# Altium PCB LTEWatch.PcbDoc (part 3 of 3)
Units mm, origin at the board's own origin, x right, y up, seen from the top; angles counter-clockwise.
Board outline 155 x 70 mm, 4 copper layers (Top Layer, Ground, Power, Bottom Layer), stack 1.854 mm thick; 335 components, 196 nets, 1001 pads, 1178 vias.
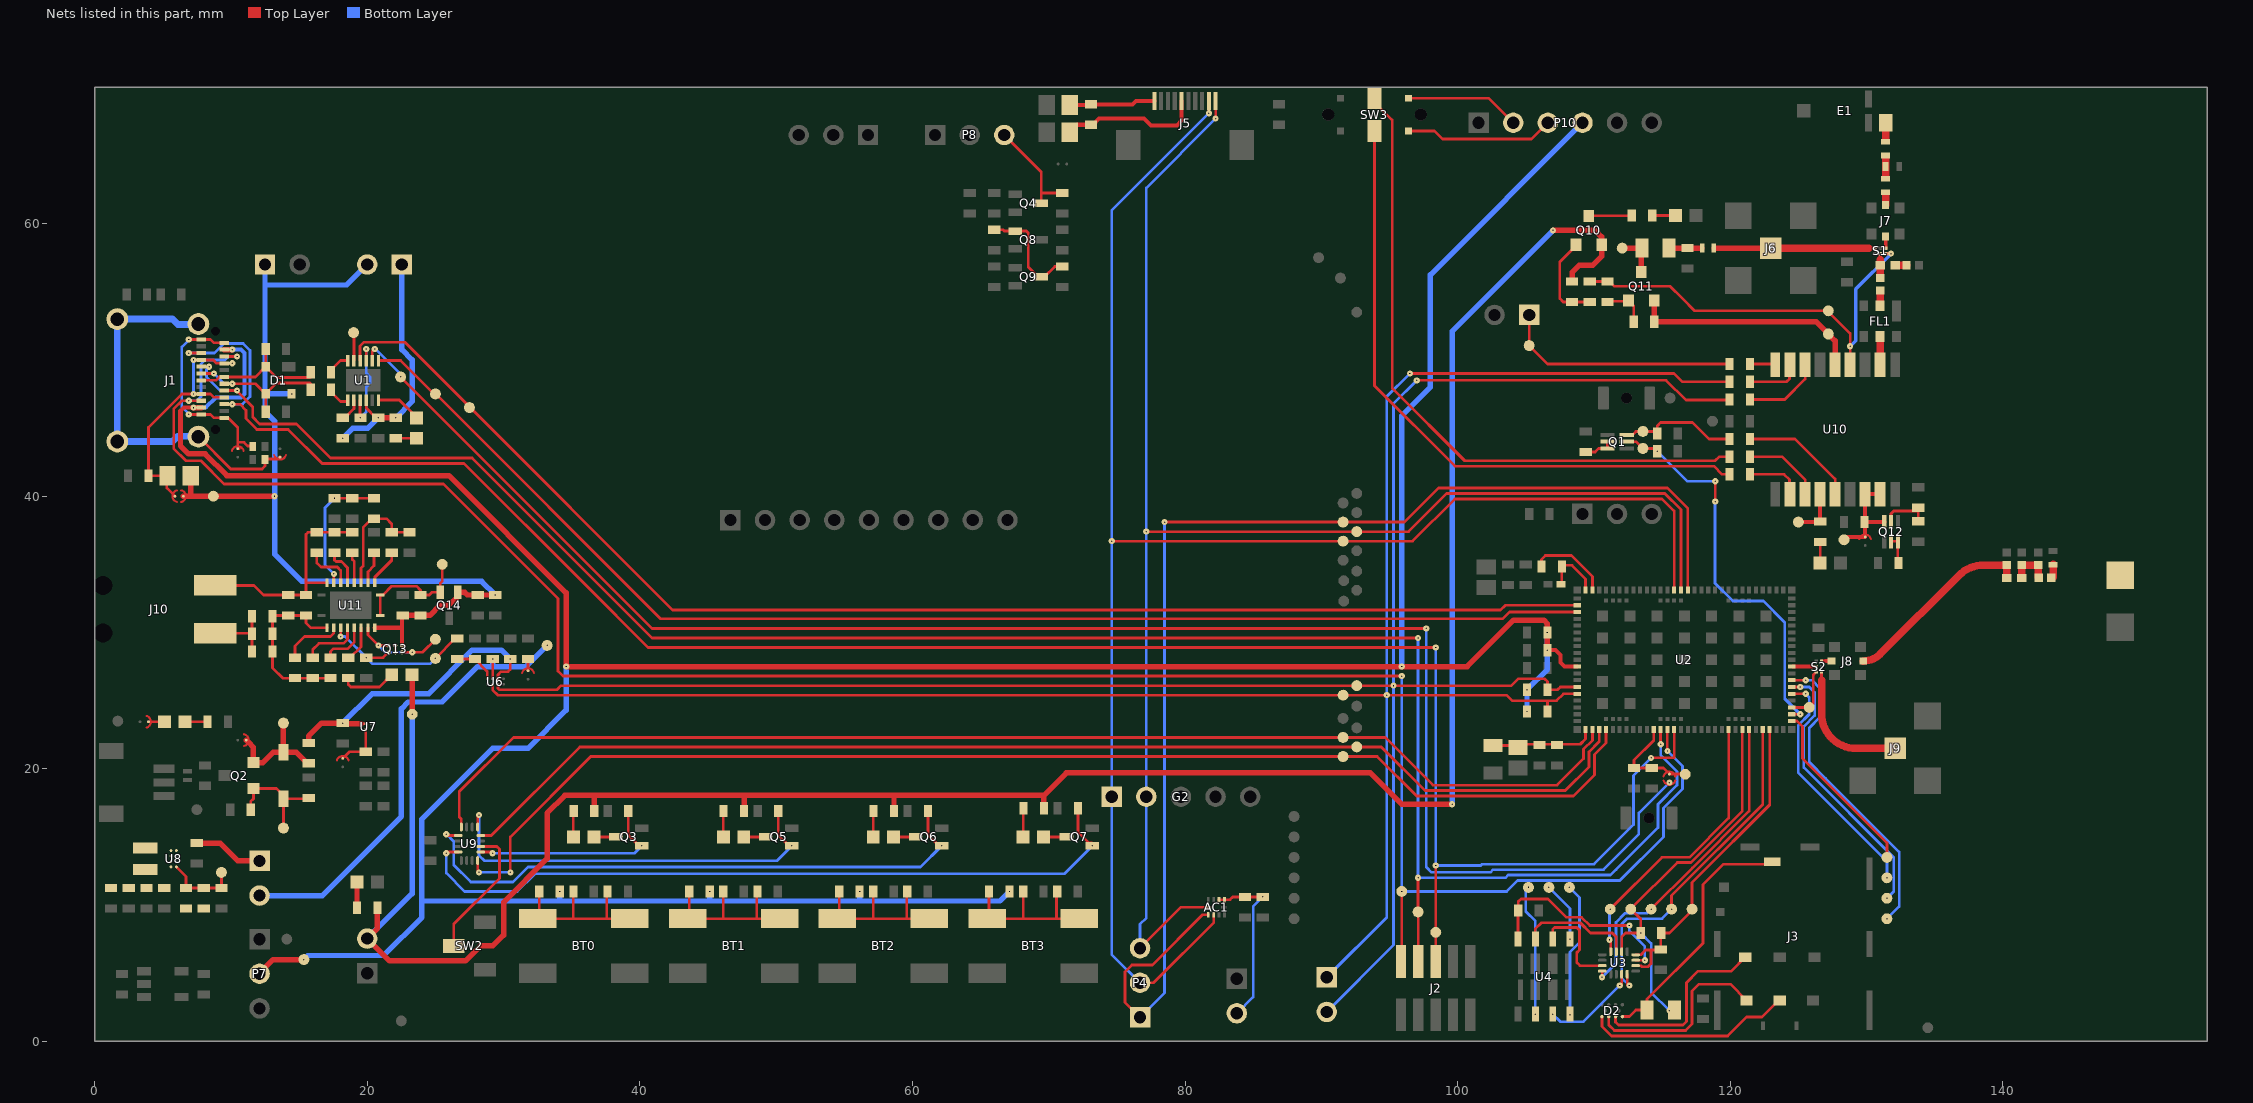
[diagram p5: the nets of this part, all layers, seen from the top]

## Via types
v1: diameter 0.4/0.45/0.45/0.4 (per signal layer), hole 0.1, Top Layer to Bottom Layer, tented both sides, 1178 vias

## Nets (pads, with @x,y where several pads share a name; then routed paths per layer and width w, separated by ;. In a path a pad name is that pad's centre, name@x,y a point inside that pad or via, vN(x,y) a via of type N, cw(c..) or ccw(c..) an arc to the next point about the centre after c; other vN are vias at no path point) (continued)
GPS_/SAFEBT: P11.1 R63.2 TP73.1 | length 17.5
  Top Layer w0.2: P11.1@105.25,53.3 TP73.1@105.25,51.05 106.6,49.7 R63.2@119.95,49.7
GPS_EXT_INT: C18.2 Q1.3 R60.1 TP51.1 | length 8.9
  Top Layer w0.2: Q1.3@112.4,44.5 112.83,44.5 113.08,44.75 TP51.1@113.6,44.75 114.5,44.75 C18.2@114.65,44.6 114.65,45.15 114.9,45.4 117.24,45.4 118.44,44.2 R60.1@119.95,44.2
GPS_RXD: R57.2 SW3.2 | length 48.9
  Top Layer w0.2: SW3.2@93.9,69.2 93.9,68.9 95.2,67.6 95.2,47.926 100.526,42.6 118.9,42.6 119.2,42.9 R57.2@119.95,42.9
GPS_TXD: R59.2 SW3.5 | length 47.4
  Top Layer w0.2: SW3.5@93.9,66.8 93.9,48.1 99.8,42.2 118.8,42.2 119.4,41.6 R59.2@119.95,41.6
LED0: Q3.1 R37.2 U9.1 | length 16
  Top Layer w0.2: 28.9,13.9 U9.1@28.325,13.9 29.1,13.9 v1(29.2,13.8) ; R37.2@39.15,16.9 39.15,15.15 39.95,14.35 v1(40.15,14.35) Q3.1@40.375,14.35
  Bottom Layer w0.2: v1(29.2,13.8) 39.6,13.8 v1(40.15,14.35)
LED1: Q5.1 R40.2 U9.5 | length 30.7
  Top Layer w0.2: U9.5@28.1,15.725 28.1,16.5 v1(28.2,16.6) ; R40.2@50.15,16.9 50.15,15.15 50.95,14.35 v1(51.15,14.35) Q5.1@51.375,14.35
  Bottom Layer w0.2: v1(28.2,16.6) 28.2,13.65 28.6,13.25 50.05,13.25 v1(51.15,14.35)
LED2: Q6.1 R42.2 U9.9 | length 44.1
  Top Layer w0.2: v1(25.8,15.2) 25.9,15.1 U9.9@26.675,15.1 ; R42.2@61.15,16.9 61.15,15.15 61.95,14.35 v1(62.15,14.35) Q6.1@62.375,14.35
  Bottom Layer w0.2: v1(25.8,15.2) 26.35,14.65 26.35,12.95 27.6,11.7 30.7,11.7 31.8,12.8 60.6,12.8 v1(62.15,14.35)
LED3: Q7.1 R43.2 U9.12 | length 55
  Top Layer w0.2: v1(25.8,13.8) 25.9,13.9 U9.12@26.675,13.9 ; R43.2@72.15,17.1 72.15,15.35 72.95,14.55 Q7.1@73.15,14.55 ; v1(73.2,14.35) Q7.1@73.375,14.35
  Bottom Layer w0.2: v1(25.8,13.8) 25.8,12.35 27.15,11 31,11 32.3,12.3 71.15,12.3 v1(73.2,14.35)
LNA_EN: R53.1 R55.1 S1.6 TP72.1 U10.13 | length 31.5
  Top Layer w0.2: R55.1@109.7,55.75 R53.1@111,55.75 111.175,55.75 111.525,55.4 115.6,55.4 116.5,54.5 117.4,53.6 127.15,53.6 128.8,51.95 v1(128.8,51) U10.13@128.8,49.65 U10.13@128.8,49.6 ; S1.6@131.4,57.8 v1(131.8,57.8)
  Bottom Layer w0.25: v1(128.8,51) 129.2,51.4 129.2,55.2 v1(131.8,57.8)
LTE_EXT_ANT: S2.6 TP21.1 U2.55 | length 4.1
  Top Layer w0.2: U2.55@124.51,24.5 TP21.1@125.8,24.5 126.1,24.8 126.1,26.9 S2.6@126.3,27.1
LTE_RF1: S2.5 U2.61 | length 1.7
  Top Layer w0.2: 126,27.5 S2.5@126.3,27.5
  Top Layer w0.3: U2.61@124.61,27.5 126,27.5
M0: TP32.1 U2.25 U9.16 | length 93.3
  Top Layer w0.2: U9.16@28.1,13.275 28.1,12.5 v1(28.2,12.4) ; v1(30.5,12.4) 30.5,15 36.4,20.9 TP32.1@91.599,20.9 94.1,20.9 97,18 108.5,18 110.04,19.54 110.04,21.04 110.89,21.89 U2.25@110.89,22.88
  Bottom Layer w0.2: v1(28.2,12.4) v1(30.5,12.4)
M1: TP31.1 U2.24 U9.4 | length 89.1
  Top Layer w0.2: U9.4@28.325,15.1 29.1,15.1 35.6,21.6 TP31.1@92.6,21.6 94.4,21.6 97.6,18.4 107.9,18.4 109.64,20.14 109.64,21.24 110.39,21.99 U2.24@110.39,22.88
M2: TP33.1 U2.23 U9.8 | length 91.5
  Top Layer w0.2: U9.8@26.9,15.725 26.9,16.325 26.75,16.475 26.75,18.325 30.725,22.3 TP33.1@91.599,22.3 94.7,22.3 98.2,18.8 107.3,18.8 109.24,20.74 109.24,21.44 109.89,22.09 U2.23@109.89,22.88
MAGPIO2: TP25.1 U2.53 | length 13.1
  Top Layer w0.2: U2.53@124.51,23.5 124.9,23.5 125.3,23.1 125.3,20.766 131.5,14.566 TP25.1@131.5,13.5
MCU2GPS_EXTINT: Q1.2 R17.2 TP23.1 U2.54 | length 29.4
  Top Layer w0.2: Q1.2@112.4,44 113.1,44 TP23.1@113.6,43.5 114.45,43.5 R17.2@114.65,43.3 ; v1(118.9,39.6) 118.9,41.08 118.89,41.09 v1(118.9,41.1) ; U2.54@124.51,24 v1(125.14,24)
  Bottom Layer w0.2: v1(114.64,43.3) 116.84,41.1 v1(118.9,41.1) ; v1(118.9,39.6) 118.89,39.59 118.89,33.61 120.19,32.31 122.43,32.31 124,30.74 124,25.14 v1(125.14,24)
MCU_DISP_SCLK: AC1.10 G2.2 J5.1 P4.3 TP15.1 U2.88 | length 117.5
  Top Layer w0.2: P4.3@76.7,6.84 79.71,9.85 AC1.10@81.75,9.85 ; v1(77.16,37.4) TP15.1@92.6,37.4 96.4,37.4 99.2,40.2 115.2,40.2 116.39,39.01 U2.88@116.39,33.12 ; J5.1@82.25,69 82.25,67.75 v1@82.3,67.7
  Bottom Layer w0.2: P4.3@76.7,6.84 76.7,8.6 77.16,9.06 G2.2@77.16,17.95 v1(77.16,37.4) 77.16,62.61 v1(82.25,67.7)
MCU_DISP_SI: AC1.2 G2.1 J5.2 P4.2 TP16.1 U2.89 | length 125.1
  Top Layer w0.2: v1(74.62,36.7) TP16.1@91.599,36.7 96.7,36.7 99.8,39.8 115,39.8 115.89,38.91 U2.89@115.89,33.12 ; P4.2@76.7,4.3 77.7,4.3 82.1,8.7 AC1.2@82.1,9.3 ; v1(81.75,68.1) J5.2@81.75,69
  Bottom Layer w0.2: P4.2@76.7,4.3 74.62,6.38 G2.1@74.62,17.95 v1(74.62,36.7) 74.62,60.97 v1(81.75,68.1)
MFF_1V8: C20.2 U3.15 U4.8 | length 15.4
  Top Layer w0.2: U4.8@104.435,7.503 C20.2@104.435,9.563 ; C20.2@104.45,9.6 104.45,10.25 104.65,10.45 106.628,10.45 107.978,9.1 109.1,9.1 109.7,8.5 v1(112.6,8.5) ; U3.15@113.065,5.953 v1(113.74,5.953)
  Bottom Layer w0.2: v1(112.6,8.5) 112.6,8.1 113.74,6.96 v1(113.74,5.953)
MFF_CLK: U3.7 U4.6 | length 7.2
  Top Layer w0.2: U4.6@106.975,7.503 106.975,8.203 107.125,8.353 108.74,8.353 108.94,8.153 108.94,6.703 108.74,6.503 108.74,5.793 108.98,5.553 U3.7@110.615,5.553
MFF_IO: U3.11 U4.3 | length 7.1
  Top Layer w0.2: v1(111.9,4.1) 112.04,4.24 U3.11@112.04,4.928
  Bottom Layer w0.2: v1(106.975,2.003) 107.54,1.438 109.225,1.438 109.24,1.453 111.887,4.1 v1(111.9,4.1)
MFF_RST: U3.3 U4.7 | length 8.4
  Top Layer w0.2: U4.7@105.705,7.503 105.705,8.268 106.14,8.703 109,8.703 109.75,7.953 111.347,7.953 111.64,7.66 U3.3@111.64,6.578
MISO: AC1.1 P4.1 TP14.1 U2.87 | length 94.7
  Top Layer w0.2: P4.1@76.7,1.76 75.6,2.86 75.6,5.1 76.1,5.6 77.603,5.6 81.303,9.3 AC1.1@81.7,9.3 ; v1(78.506,38.1) TP14.1@91.599,38.1 96.1,38.1 98.6,40.6 115.4,40.6 116.89,39.11 U2.87@116.89,33.12
  Bottom Layer w0.2: P4.1@76.7,1.76 78.5,3.56 v1@78.5,38.1
NetA1_1: A1.1 C50.2 L8.1 | length 0.9
  Top Layer w0.55: C50.2@143.7,34.06 L8.1@143.7,35
NetAC1_6: AC1.6 AC1.7 C1.2 P2.2 R4.2 | length 12.6
  Top Layer w0.2: AC1.7@82.5,10.4 AC1.6@82.9,10.4 83.3,10.4 83.5,10.6 R4.2@84.4,10.6 v1(85.7,10.6)
  Bottom Layer w0.2: P2.2@83.8,2.06 85,3.26 85,8.6 85,9.001 85,9.9 v1(85.7,10.6)
NetBT0_1: BT0.1 C40.2 R29.1 R30.2 | length 12.8
  Top Layer w0.2: R29.1@32.625,11 32.625,9.125 BT0.1@32.5,9 35.125,9 ; C40.2@35.125,11 35.125,9 ; R30.2@37.625,11 37.575,10.95 37.575,9 ; BT0.1@39.25,9 37.575,9 ; 35.125,9 37.575,9
NetBT1_1: BT1.1 C39.2 R28.1 R31.2 | length 12.8
  Top Layer w0.2: R28.1@43.625,11 43.625,9.125 BT1.1@43.5,9 46.125,9 ; C39.2@46.125,11 46.125,9 ; R31.2@48.625,11 48.575,10.95 48.575,9 ; BT1.1@50.25,9 48.575,9 ; 46.125,9 48.575,9
NetBT2_2: BT2.2 C38.2 R27.1 R32.2 | length 12.8
  Top Layer w0.2: R27.1@54.625,11 54.625,9.125 BT2.2@54.5,9 57.125,9 ; C38.2@57.125,11 57.125,9 ; R32.2@59.625,11 59.575,10.95 59.575,9 ; BT2.2@61.25,9 59.575,9 ; 57.125,9 59.575,9
NetBT3_2: BT3.2 C37.2 R26.1 R33.2 | length 12.8
  Top Layer w0.2: R26.1@65.625,11 65.625,9.125 BT3.2@65.5,9 68.125,9 ; C37.2@68.125,11 68.125,9 ; R33.2@70.625,11 70.575,10.95 70.575,9 ; BT3.2@72.25,9 70.575,9 ; 68.125,9 70.575,9
NetC8_2: C8.2 U1.3 U1.9 | length 7.5
  Top Layer w0.2: U1.3@19.475,47.05 19.475,45.775 v1(19.5,45.75) ; U1.9@19.925,49.95 v1@19.925,50.75
  Bottom Layer w0.2: v1(19.5,45.75) 19.925,46.175 19.925,48.025 20.2,48.3 20.2,48.75 19.925,49.025 v1@19.925,50.75
  other v1: 19.925,50.8
NetC9_2: C9.2 FB2.1 J1.A4 J1.A9 J1.B4 J1.B9 SB1.1 | length 18.8
  Top Layer w0.2: SB1.1@5.888,40 5.3,40.588 5.3,41.5 C9.2@3.95,41.5 3.95,45.05 6.4,47.5 v1(7.25,47.5) J1.B4@7.825,47.5 8.5,47.5 8.75,47.25 J1.A9@9.525,47.25 ; v1(7.25,50) J1.B9@7.825,50 8.7,50 8.95,49.75 J1.A4@9.525,49.75 v1(10.1,49.75)
  Bottom Layer w0.2: v1(7.25,47.5) v1(7.25,50)
NetC13_2: C13.2 C14.2 C15.2 R10.2 U2.22 | length 7.8
  Top Layer w0.2: R10.2@102.6,21.7 104.29,21.7 C15.2@104.44,21.55 104.69,21.8 106,21.8 106.59,21.8 107.14,21.8 109,21.8 109.39,22.19 U2.22@109.39,22.88
NetC16_2: C16.2 R13.1 SB11.1 TP48.1 U2.32 | length 7.2
  Top Layer w0.2: U2.32@114.39,22.88 114.39,22.09 112.94,20.64 R13.1@112.94,20.05 C16.2@114.24,20.05 115.102,20.05 115.391,19.761 ; 115.491,19.761 115.64,19.612 ; SB11.1@115.54,19.612 115.64,19.612 ; TP48.1@116.547,19.546 116.481,19.612 115.893,19.612 115.64,19.612
NetC23_2: C23.2 P5.2 TP55.1 U6.B2 | length 35.3
  Top Layer w0.2: U6.B2@29.2,26.6 v1(29.2,28.05)
  Bottom Layer w0.4: P5.2@12.1,10.7 16.7,10.7 22.5,16.5 22.5,24.4 23,24.9 25.5,24.9 28.1,27.5 29.2,27.5 ; v1(29.2,28.05) 29.2,27.5 ; v1(33.2,29.05) 31.65,27.5 29.2,27.5
NetC30_1: C30.1 R21.1 R22.2 TP65.1 U8.D2 | length 5.6
  Top Layer w0.2: U8.D2@6,12.8 6.7,12.1 C30.1@6.7,11.25 R21.1@8,11.25 R22.2@9.3,11.25 TP65.1@9.3,12.4
NetC30_2: C30.2 C32.2 C33.2 C34.2 R21.2 R65.1 U8.D1 | length 0.3
  Top Layer w0.2: C32.2@5.1,11.25 C32.2@5.25,11.25 ; C30.2@6.575,9.75 C30.2@6.7,9.75
NetC36_2: C36.2 Q2.1 R24.2 TP66.1 Z1.2 | length 8.4
  Top Layer w0.2: R24.2@11.45,17 11.45,17.6 11.65,17.8 Q2.1@11.65,18.55 13.35,18.55 13.85,18.05 Z1.2@13.85,17.8 ; TP66.1@13.85,15.65 Z1.2@13.85,17.8 ; C36.2@15.7,18 15.5,17.8 Z1.2@13.85,17.8
NetC46_2: C46.2 L2.1 R52.1 | length 2.4
  Top Layer w0.4: R52.1@115.515,58.2 C46.2@116.875,58.2 ; C46.2@116.825,58.2 L2.1@117.9,58.2
NetC48_1: C48.1 FL1.2 | length 1.1
  Top Layer w0.55: FL1.2@131,53.95 C48.1@131,55.065
NetC48_2: C48.2 L3.1 S1.5 | length 1.9
  Top Layer w0.25: 131,57.25 S1.5@131,57.8
  Top Layer w0.55: C48.2@131,56.05 131,57.35
NetC49_2: C49.2 L3.2 | length 0.8
  Top Layer w0.55: L3.2@132.1,56.95 C49.2@132.94,56.95
NetC50_1: C50.1 C53.2 C54.2 L7.1 | length 3.1
  Top Layer w0.55: L7.1@141.4,34 C53.2@141.4,34.94 C54.2@142.6,34.94 142.6,34.04 C50.1@142.64,34
NetC52_2: C52.2 J8.3 L7.2 | length 14.2
  Top Layer w0.55: J8.3@129.76,27.9 ccw(c129.76,29.687) 131.023,28.423 136.796,34.196 cw(c138.592,32.4) 138.592,34.94 C52.2@140.3,34.94 L7.2@140.3,34
NetC55_1: C55.1 C58.1 C59.1 C60.2 C61.2 C62.2 C63.2 C64.2 U11.2 | length 13.1
  Top Layer w0.2: U11.2@17.05,30.35 15.85,30.35 15.5,30.7 C64.2@15.5,31.25 C63.2@14.2,31.25 13.1,31.25 C60.2@13.05,31.2 C61.2@13.05,29.9 C62.2@13.05,28.6 13.05,27.4 13.8,26.65 C59.1@14.7,26.65 C55.1@16,26.65 C58.1@17.3,26.65
NetC55_2: C55.2 U11.5 | length 4.3
  Top Layer w0.2: C55.2@16,28.15 16,28.75 16.45,29.2 18.25,29.2 18.55,29.5 U11.5@18.55,30.35
NetC56_2: C56.2 Q13.A1 R74.2 TP76.1 U11.4 | length 12.7
  Top Layer w0.2: v1(18.05,29.7) U11.4@18.05,30.35 ; C56.2@20.025,28.05 v1(19.925,28.15) 21.157,28.15 Q13.A1@21.557,28.55 ; v1(25,28.1) 26.45,29.55 R74.2@26.6,29.55
  Bottom Layer w0.2: v1(18.05,29.7) 18.375,29.7 v1(19.925,28.15) 20.375,27.7 24.6,27.7 v1(25,28.1)
NetC58_2: C58.2 U11.6 | length 3.5
  Top Layer w0.2: C58.2@17.3,28.15 17.3,28.6 17.5,28.8 18.55,28.8 19.05,29.3 U11.6@19.05,30.35
NetC59_2: C59.2 U11.3 | length 4.5
  Top Layer w0.2: C59.2@14.7,28.15 14.7,29 15.4,29.7 17.3,29.7 17.55,29.95 U11.3@17.55,30.35
NetC60_1: C60.1 C61.1 C62.1 J10.2 | length 5.3
  Top Layer w0.2: J10.2@8.85,29.95 11.5,29.95 C61.1@11.55,29.9 ; C62.1@11.55,28.6 C61.1@11.55,29.9 ; C60.1@11.55,31.2 C61.1@11.55,29.9
NetC63_1: C63.1 C64.1 C67.1 C68.1 C69.1 J10.1 U11.19 | length 16.4
  Top Layer w0.2: J10.1@8.85,33.45 11.7,33.45 12.4,32.75 C63.1@14.2,32.75 C64.1@15.5,32.75 15.5,33.65 ; U11.19@17.05,33.65 15.5,33.65 ; C68.1@18.9,37.35 C69.1@17.6,37.35 C67.1@16.3,37.35 15.65,37.35 15.5,37.2 15.5,33.65
NetC65_2: C65.2 C66.2 R67.2 U11.18 | length 9.7
  Top Layer w0.2: U11.18@17.55,33.65 v1(17.55,34.3) ; v1(17.6,39.85) C65.2@18.9,39.85 R67.2@20.5,39.85
  Bottom Layer w0.2: v1(17.55,34.3) 16.9,34.95 16.9,39.15 v1(17.6,39.85)
NetC67_2: C67.2 U11.17 | length 3.6
  Top Layer w0.2: C67.2@16.3,35.85 16.3,35.1 16.6,34.8 17.8,34.8 18.05,34.55 U11.17@18.05,33.65
NetC68_2: C68.2 U11.15 | length 2.3
  Top Layer w0.2: C68.2@18.9,35.85 18.9,35.35 19.05,35.2 U11.15@19.05,33.65
NetC69_2: C69.2 U11.16 | length 2.8
  Top Layer w0.2: C69.2@17.6,35.85 17.6,35.3 17.7,35.2 18.1,35.2 18.55,34.75 U11.16@18.55,33.65
NetD2_C1: D2.C1 J3.C2 | length 15
  Top Layer w0.2: D2.C1@110.59,1.818 110.59,1.1 111.29,0.4 119.817,0.4 121.2,1.783 122.328,1.783 J3.C2@123.545,3
NetD2_C2: D2.C2 J3.C3 | length 14.2
  Top Layer w0.2: D2.C2@111.09,1.818 111.09,1.21 111.5,0.8 116.73,0.8 117.2,1.27 117.2,3.7 117.7,4.2 120.013,4.2 J3.C3@121.2,3.013
NetD2_C3: D2.C3 J3.C7 | length 13.7
  Top Layer w0.2: D2.C3@111.59,1.818 111.59,1.41 111.8,1.2 116.54,1.2 116.8,1.46 116.8,4.3 117.653,5.153 120.083,5.153 J3.C7@121.1,6.17
NetD2_C4: D2.C4 J3.DSW R14.2 | length 18.7
  Top Layer w0.2: D2.C4@112.09,1.818 112.598,1.818 113.08,2.3 R14.2@113.9,2.3 113.9,3.1 118,7.2 118,11.5 119.5,13 122.915,13 J3.DSW@123.09,13.175
NetE1_4: E1.4 L5.2 | length 1.3
  Top Layer w0.55: L5.2@131.4,66.1 E1.4@131.4,67.4
NetFB1_2: FB1.2 R9.2 U2.102 | length 4.3
  Top Layer w0.2: FB1.2@107.575,33.54 107.65,33.615 R9.2@107.65,34.84 ; R9.2@107.665,34.925 108.385,34.925 109.39,33.92 U2.102@109.39,33.12
NetFB3_2: FB3.2 J1.A1 J1.A12 J1.B1 J1.B12 SB2.2 | length 15.5
  Top Layer w0.2: v1@6.941,46 J1.B1@7.825,46 8.5,46 8.75,45.75 J1.A12@9.525,45.75 9.8,45.75 10.5,45.05 10.5,43.95 ; v1@6.941,51.5 J1.B12@7.825,51.5 8.5,51.5 8.75,51.25 J1.A1@9.525,51.25 ; SB2.2@10.494,43.506 10.5,43.5 10.614,43.5 ; SB2.2@10.5,43.512 10.5,43.687 10.5,43.95 ; FB3.2@11.6,43.675 11.225,43.675 10.95,43.95 10.5,43.95
  Bottom Layer w0.2: v1@6.95,46 6.4,46.55 6.4,50.95 v1@6.95,51.5
  other v1: 6.9,46 6.9,51.5
NetFB4_1: FB4.1 J1.MH1 J1.MH2 J1.MH3 J1.MH4 SB3.2 | length 28.8
  Top Layer w0.2: J1.MH2@7.615,44.37 9.985,42 12.29,42 12.5,42.21 12.5,42.725 13.437,42.725 13.451,42.739 SB3.2@13.6,42.888
  Bottom Layer w0.5: J1.MH2@7.585,44.4 6.1,44.4 5.71,44.01 J1.MH3@1.665,44.01 J1.MH4@1.665,52.99 5.71,52.99 6.1,52.6 7.585,52.6 J1.MH1@7.615,52.63
NetJ6_5: J6.5 L2.2 S1.3 | length 11.9
  Top Layer w0.25: 130.05,58.2 S1.3@130.6,58.2
  Top Layer w0.4: L2.2@118.825,58.2 J6.5@122.975,58.2
  Top Layer w0.55: J6.5@122.975,58.2 130.15,58.2
NetJ7_1: J7.1 S1.1 | length 0.7
  Top Layer w0.25: S1.1@131.4,58.2 J7.1@131.4,58.9
NetJ7_3: J7.3 L4.1 | length 0.7
  Top Layer w0.55: J7.3@131.4,61.36 L4.1@131.4,62.1
NetJ8_1: J8.1 S2.3 | length 0.7
  Top Layer w0.2: S2.3@126.7,27.9 127,27.9
  Top Layer w0.3: 127,27.9 J8.1@127.44,27.9
NetJ9_5: J9.5 S2.1 | length 9.9
  Top Layer w0.2: 126.7,26.5 S2.1@126.7,27.1
  Top Layer w0.55: 126.7,26.5 126.7,24.04 ccw(c129.24,24.04) 129.24,21.5 J9.5@132.1,21.5
NetL1_1: L1.1 U8.C1
NetL1_2: L1.2 U8.B1
NetL4_2: L4.2 L5.1 L6.2 | length 1.5
  Top Layer w0.55: L4.2@131.4,63.4 L5.1@131.4,64.9
NetLED0_1: LED0.1 R34.1 | length 1.9
  Top Layer w0.2: LED0.1@35.125,15 R34.1@35.125,16.9
NetLED0_2: LED0.2 Q3.3 | length 1.9
  Top Layer w0.2: LED0.2@36.625,15 Q3.3@38.475,15
NetLED1_1: LED1.1 R36.1 | length 1.5
  Top Layer w0.2: LED1.1@46.125,15 46.125,15.55 R36.1@46.125,16.498
NetLED1_2: LED1.2 Q5.3 | length 1.9
  Top Layer w0.2: LED1.2@47.625,15 Q5.3@49.475,15
NetLED2_1: LED2.1 R38.1 | length 1.8
  Top Layer w0.2: LED2.1@57.125,15 57.125,15.55 R38.1@57.125,16.788
NetLED2_2: LED2.2 Q6.3 | length 1.9
  Top Layer w0.2: LED2.2@58.625,15 Q6.3@60.475,15
NetLED3_1: LED3.1 R3.1 | length 1.5
  Top Layer w0.2: R3.1@22.1,44.25 LED3.1@23.6,44.25
NetLED3_2: LED3.2 U1.6 | length 3.3
  Top Layer w0.2: U1.6@20.825,47.05 22.35,47.05 23.6,45.8 LED3.2@23.6,45.75
NetLED4_1: LED4.1 R23.2 | length 1.7
  Top Layer w0.2: LED4.1@6.638,23.449 8.286,23.449 R23.2@8.288,23.451
NetLED4_2: LED4.2 SB7.2 | length 1.2
  Top Layer w0.2: SB7.2@3.95,23.45 4.125,23.45 5.137,23.45 LED4.2@5.138,23.449
NetLED5_1: LED5.1 R25.2 | length 1.9
  Top Layer w0.4: R25.2@19.25,9.8 LED5.1@19.25,11.7
NetLED6_1: LED6.1 R41.1 | length 2.2
  Top Layer w0.2: R41.1@68.033,17.167 68.125,17.075 LED6.1@68.125,15
NetLED6_2: LED6.2 Q7.3 | length 1.9
  Top Layer w0.2: LED6.2@69.625,15 Q7.3@71.475,15
NetLED7_1: LED7.1 R51.1 | length 1.7
  Top Layer w0.2: R51.1@114.275,60.6 LED7.1@115.975,60.6
NetLED8_1: LED8.1 R64.1 | length 1.5
  Top Layer w0.2: LED8.1@126.6,35.11 R64.1@126.6,36.65
NetLED9_2: LED9.2 R72.2 | length 4.1
  Top Layer w0.2: R72.2@18.6,26.65 18.6,26.2 18.8,26 20.9,26 LED9.2@21.8,26.9
NetP8_3: P8.3 Q4.3 R35.1 | length 7.7
  Top Layer w0.2: P8.3@66.74,66.5 69.45,63.79 69.45,62.25 ; Q4.3@69.45,61.5 69.45,62.25 ; R35.1@71,62.25 69.45,62.25
NetP10_2: P10.2 SW3.1 | length 9
  Top Layer w0.2: SW3.1@96.4,69.2 102.28,69.2 P10.2@104.504,66.976
NetP10_3: P10.3 SW3.4 | length 11.3
  Top Layer w0.2: SW3.4@96.4,66.8 98.3,66.8 98.9,66.2 105.42,66.2 P10.3@106.88,67.66
NetQ1_5: Q1.5 Q1.6 R15.1 | length 2.2
  Top Layer w0.2: R15.1@109.4,43.25 110.09,43.25 110.34,43.5 Q1.6@111,43.5 Q1.5@111,44
NetQ2_2: Q2.2 R73.2 SB6.2 TP64.1 Z1.1 | length 8.7
  Top Layer w0.4: SB6.2@11.125,22.1 11.274,21.951 11.65,21.575 Q2.2@11.65,20.45 12.347,20.45 13.097,21.2 Z1.1@13.85,21.2 ; TP64.1@13.85,23.35 Z1.1@13.85,21.2 ; R73.2@15.7,20.4 15.6,20.4 14.8,21.2 Z1.1@13.85,21.2
NetQ8_1: Q8.1 Q9.3 R44.1 R46.2 | length 8.2
  Top Layer w0.2: R46.2@66,59.55 66.64,59.55 66.74,59.45 Q8.1@67.55,59.45 68.35,59.45 68.5,59.3 68.5,56.8 69.2,56.1 Q9.3@69.45,56.1 69.7,56.1 70.45,56.85 R44.1@71,56.85
NetQ10_1: Q10.1 R50.1 R55.2 | length 6.7
  Top Layer w0.2: Q10.1@108.675,58.45 108.675,58.375 107.5,57.2 107.5,54.5 107.75,54.25 R50.1@108.4,54.25 R55.2@109.7,54.25
NetQ10_3: Q10.3 R51.2 | length 3.2
  Top Layer w0.2: Q10.3@109.615,60.55 109.64,60.575 R51.2@112.765,60.575
NetQ11_1: Q11.1 R49.1 R53.2 | length 3.3
  Top Layer w0.2: R53.2@110.975,54.3 112.475,54.3 Q11.1@112.525,54.35 112.925,53.95 R49.1@112.925,52.8
NetQ11_3: Q11.3 R52.2 TP69.1 | length 3.2
  Top Layer w0.4: TP69.1@112.075,58.2 R52.2@113.515,58.2 113.475,58.16 Q11.3@113.475,56.45
NetQ12_2: Q12.2 R54.2 R56.2 | length 3.4
  Top Layer w0.2: Q12.2@131.8,38.1 131.8,38.71 132,38.91 133.8,38.91 R56.2@133.8,38.16
NetQ12_5: Q12.5 Q12.6 R48.2 | length 2.1
  Top Layer w0.2: Q12.5@131.8,36.7 Q12.6@132.3,36.7 R48.2@132.3,35.15 ; R48.2@132.3,35.1 R48.2@132.35,35.05
NetQ13_A2: Q13.A2 Q13.C1 TP77.1 U11.8 | length 7.9
  Top Layer w0.2: U11.8@20.05,30.35 20.05,29.815 v1(20.815,29.05) Q13.A2@21.557,29.05 ; Q13.C1@22.557,28.55 v1(23.3,28.55) 24.05,28.55 TP77.1@25,29.5
  Bottom Layer w0.2: v1(20.815,29.05) 21.315,28.55 v1(23.3,28.55)
NetQ13_B1: Q13.B1 Q13.B2 | length 0.5
  Top Layer w0.2: Q13.B1@22.057,28.55 Q13.B2@22.057,29.05
NetR5_2: R5.2 U1.12 | length 1.7
  Top Layer w0.2: R5.2@17.35,49.1 17.35,49.25 18.05,49.95 U1.12@18.575,49.95
NetR6_2: R6.2 U1.1 | length 1.7
  Top Layer w0.2: R6.2@17.35,47.8 17.35,47.65 18.05,46.95 U1.1@18.575,46.95
NetR7_1: R7.1 U1.2 | length 1.7
  Top Layer w0.2: R7.1@18.2,45.75 18.35,45.75 19.025,46.425 U1.2@19.025,47.05
NetR9_1: R9.1 U2.101 | length 6
  Top Layer w0.2: R9.1@106.15,34.84 106.15,35.36 106.44,35.65 108.35,35.65 109.89,34.11 U2.101@109.89,33.12
NetR18_2: R18.2 SB4.1 U7.A1 | length 3.6
  Top Layer w0.2: SB4.1@18.2,20.762 18.349,20.911 18.688,21.25 R18.2@19.9,21.25 U7.A1@19.9,22.9
NetR20_2: R20.2 SB5.2 | length 0.9
  Top Layer w0.2: SB5.2@31.8,27.2 31.8,27.375 R20.2@31.8,28.05
NetR57_1: R57.1 U10.3 | length 5.9
  Top Layer w0.2: R57.1@121.39,42.9 R57.1@121.45,42.9 123.81,42.9 125.5,41.21 U10.3@125.5,40.15
NetR59_1: R59.1 U10.2 | length 4.1
  Top Layer w0.2: R59.1@121.45,41.6 123.96,41.6 124.35,41.21 U10.2@124.35,40.15
NetR60_2: R60.2 U10.5 | length 8.6
  Top Layer w0.2: R60.2@121.4,44.2 R60.2@121.45,44.2 124.76,44.2 127.7,41.26 U10.5@127.7,40.15
NetR61_1: R61.1 U10.16 | length 5.8
  Top Layer w0.2: R61.1@121.4,47.1 124,47.1 125.5,48.6 U10.16@125.5,49.65
NetR62_1: R62.1 U10.17 | length 4.1
  Top Layer w0.2: R62.1@121.4,48.4 124.15,48.4 124.35,48.6 U10.17@124.35,49.65
NetR63_1: R63.1 U10.18 | length 1.9
  Top Layer w0.2: R63.1@121.4,49.7 U10.18@123.25,49.7
NetR64_2: R64.2 TP74.1 U10.4 | length 3.6
  Top Layer w0.3: TP74.1@125,38.1 126.55,38.1 R64.2@126.6,38.15 U10.4@126.6,40.15
NetR66_2: R66.2 U11.13 | length 2.4
  Top Layer w0.2: U11.13@20.05,33.65 20.05,34.45 20.5,34.9 R66.2@20.5,35.85
NetR67_1: R67.1 R70.1 R71.2 U11.14 | length 8.5
  Top Layer w0.2: U11.14@19.55,33.65 19.55,34.725 19.7,34.875 19.7,37.7 20.35,38.35 R67.1@20.5,38.35 21.4,38.35 21.8,37.95 R70.1@21.8,37.35 R71.2@23.1,37.35
NetR70_2: R70.2 U11.12 | length 2.7
  Top Layer w0.2: U11.12@20.55,33.65 20.55,34.05 21.8,35.3 R70.2@21.8,35.85
NetSW2_2: SW2.2 U9.2 | length 9.9
  Top Layer w0.2: SW2.2@26.35,7 26.35,8.599 29.7,11.949 29.7,14.1 29.5,14.3 U9.2@28.325,14.3
NetTP52_1: TP52.1 U4.2 | length 9.7
  Bottom Layer w0.2: v1(105.2,11.3) 105,11.1 105,9.543 105.705,8.838 v1(105.705,2.003)
NetTP53_1: TP53.1 U4.4 | length 9.9
  Bottom Layer w0.2: v1(108.2,11.3) 108.94,10.56 108.94,7.253 108.24,6.553 v1@108.24,1.953
  other v1: 108.245,1.953
NetTP54_1: TP54.1 U4.5 | length 4.4
  Bottom Layer w0.2: v1(106.7,11.3) 108.245,9.755 v1(108.245,7.503)
P0.08/SDA: P13.2 R1.1 R61.2 TP1.1 U2.15 U6.C1 | length 153.2
  Top Layer w0.2: U6.C1@29.6,26.2 29.6,25.9 29.7,25.8 33.925,25.8 34.225,26.1 TP1.1@92.6,26.1 v1(95.3,26.1) 103.94,26.1 104.44,26.6 106.39,26.6 ; v1(97,48.5) 115.3,48.5 116.75,47.05 R61.2@119.95,47.05 ; 106.39,26.605 106.59,26.405 R1.1@106.59,25.8 107.34,25.8 107.54,26 U2.15@108.77,26
  Bottom Layer w0.2: P13.2@90.4,2.163 95.3,7.063 v1(95.3,26.1) 95.3,46.8 v1(97,48.5)
P0.09/SCL: P13.1 R2.1 R62.2 TP2.1 U2.16 U6.B1 | length 151.9
  Top Layer w0.2: U6.B1@29.2,26.2 29.2,25.775 29.575,25.4 TP2.1@91.6,25.4 v1(94.8,25.4) 103.6,25.4 104,25 106.59,25 ; v1(96.5,49) 115.876,49 116.476,48.4 R62.2@119.95,48.4 ; R2.1@106.59,24.191 R2.1@106.59,24.2 106.59,25 ; U2.16@108.77,25.5 107.765,25.5 107.265,25 106.59,25
  Bottom Layer w0.2: P13.1@90.4,4.703 94.8,9.103 94.8,25.2 v1(94.8,25.4) 94.8,47.3 v1(96.5,49)
PMID: C31.2 P5.1 U8.A1 U8.A2 | length 5.1
  Top Layer w0.4: C31.2@7.5,14.55 9.2,14.55 10.51,13.24 P5.1@12.1,13.24
RF_IN: FL1.5 U10.11 | length 2.1
  Top Layer w0.55: U10.11@131,49.65 FL1.5@131,51.725
SCLK: TP18.1 U2.58 | length 20.2
  Top Layer w0.2: U2.58@124.51,26 v1(125.14,26)
  Bottom Layer w0.2: v1(125.14,26) 125.8,26 126.2,25.6 126.2,23.9 125.4,23.1 125.4,20.1 132,13.5 132,11 v1(131.5,10.5)
SDATA: TP17.1 U2.59 | length 22.7
  Top Layer w0.2: U2.59@124.51,26.5 v1@125.44,26.5
  Bottom Layer w0.2: v1@125.44,26.5 126,26.5 126.6,25.9 126.6,23.8 125.8,23 125.8,20.5 127,19.3 132.4,13.9 132.4,9.9 v1(131.5,9)
  other v1: 125.54,26.5
SIM_1V8: C19.2 R16.1 TP47.1 U2.49 U3.14 U3.16 | length 23.9
  Top Layer w0.2: U3.14@113.065,5.553 113.44,5.553 113.528,5.465 113.952,5.465 114.19,5.703 114.19,6.703 ; U3.16@113.065,6.353 113.44,6.353 113.79,6.703 114.19,6.703 ; R16.1@114.9,7.953 114.9,6.703 114.19,6.703 ; R16.1@114.94,7.953 115.553,7.953 TP47.1@117.2,9.6 ; TP47.1@117.2,9.7 117.2,11.66 117.44,11.9 122.9,17.36 U2.49@122.9,22.8
SIM_CLK: TP45.1 U2.46 U3.8 | length 24.1
  Top Layer w0.2: v1(110.59,4.703) 110.615,4.728 U3.8@110.615,5.153 ; v1(114.2,9.7) 117.219,12.719 121.39,16.89 U2.46@121.39,22.88
  Bottom Layer w0.2: v1(110.59,4.703) 111.62,5.733 111.62,8.735 112.285,9.4 113.9,9.4 v1(114.2,9.7)
SIM_DET: R14.1 R16.2 TP44.1 U2.45 U3.2 | length 28.4
  Top Layer w0.2: U3.2@112.04,6.578 112.04,7.666 112.327,7.953 v1(113.44,7.953) 113.44,8.96 TP44.1@112.7,9.7 116.119,13.119 117.119,13.119 120.89,16.89 U2.45@120.89,22.88
  Bottom Layer w0.2: v1(113.44,7.953) 114.2,7.193 114.2,3.593 v1(115.54,2.253)
SIM_IO: TP46.1 U2.48 U3.12 | length 25.8
  Top Layer w0.2: U3.12@112.44,4.928 112.44,4.153 112.493,4.1 v1(112.6,4.1) ; v1(115.7,9.7) 115.7,10.7 122.39,17.39 U2.48@122.39,22.88
  Bottom Layer w0.2: v1(112.6,4.1) 112.04,4.66 112.04,8.593 112.447,9 115,9 v1(115.7,9.7)
SIM_RST: TP43.1 U2.43 U3.4 | length 21.2
  Top Layer w0.2: v1(111.14,7.453) 111.24,7.353 U3.4@111.24,6.578 ; v1(111.2,9.7) 115,13.5 117,13.5 119.89,16.39 U2.43@119.89,22.88
  Bottom Layer w0.2: v1(111.14,7.453) 111.14,9.7 v1(111.2,9.7)
SWDCLK: J1.A8 J1.B8 J2.4 TP35.1 U2.33 | length 150.7
  Top Layer w0.2: J1.B8@7.825,49.5 v1(8.4,49.5) ; J1.A8@9.525,47.75 v1@10.4,47.75 ; v1@10.409,47.75 v1@10.4,47.75 ; TP35.1@97.1,9.5 97.071,9.529 97.1,9.558 v1(97.1,12) ; v1(97.1,29.6) 40.9,29.6 27.7,42.8 17.3,42.8 14.8,45.3 12.1,45.3 11.6,45.8 11.6,46.55 v1@10.4,47.75 ; J2.4@97.12,5.853 TP35.1@97.12,9.5 ; U2.33@114.89,22.88 114.89,21.81 v1(114.9,21.8)
  Bottom Layer w0.2: v1(8.4,49.5) 8.2,49.3 8.2,48.75 9.2,47.75 v1@10.4,47.75 ; v1(97.1,29.6) v1(97.1,12) 103.5,12 103.7,12.2 111.22,12.2 111.62,12.6 114.7,15.68 114.7,17.4 116.1,18.8 116.1,19.8 114.9,21 v1(114.9,21.8)
  other v1: 10.45,47.75
SWDIO: J1.A3 J1.B3 J2.2 TP36.1 U2.34 | length 163.2
  Top Layer w0.2: v1@6.941,47 J1.B3@7.825,47 ; v1@6.95,47 6.4,47 5.8,46.4 5.8,43.5 6.7,42.6 7.8,42.6 9.5,40.9 25.6,40.9 34,32.5 34,27.166 34.366,26.8 v1(95.9,26.8) ; J1.A3@9.525,50.25 v1@10.409,50.25 ; J2.2@95.85,5.853 95.9,5.903 v1(95.9,11) ; U2.34@115.39,22.88 115.39,21.31 v1(115.4,21.3)
  Bottom Layer w0.2: v1@6.95,47 7.5,47 7.8,47.3 7.8,49.7 8.1,50 9.55,50 9.8,50.25 v1@10.4,50.25 ; v1(95.9,26.8) v1(95.9,11) 103.6,11 104.4,11.8 111.874,11.8 111.887,11.787 115.1,15 115.1,17.11 116.5,18.51 116.5,20.2 v1(115.4,21.3)
  other v1: 6.9,47 10.45,50.25
SWO: J1.A10 J1.B10 J2.6 TP38.1 U2.35 | length 155.4
  Top Layer w0.2: v1@6.941,50.5 J1.B10@7.825,50.5 ; J1.A10@9.525,46.75 v1(10.1,46.75) 10.65,46.75 11.1,46.3 11.1,45.7 11.9,44.9 14.2,44.9 16.7,42.4 27.1,42.4 36,33.5 40.6,28.9 v1(98.4,28.9) ; J2.6@98.39,5.853 TP38.1@98.39,7.99 ; TP38.1@98.4,8 v1(98.4,12.9) ; v1(114.2,20.8) 115.89,20.8 U2.35@115.89,22.88
  Bottom Layer w0.2: v1@6.95,50.5 8.8,50.5 9.5,51.2 10.9,51.2 11.4,50.7 11.4,47.3 10.85,46.75 v1(10.1,46.75) ; v1(98.4,28.9) v1(98.4,12.9) 101.7,12.9 101.8,13 110,13 112.9,15.9 112.9,19.5 v1(114.2,20.8)
  other v1: 6.9,50.5
USB_/CTS: TP13.1 U1.11 | length 2.2
  Top Layer w0.2: TP13.1@18.9,52.1 19.025,51.975 U1.11@19.025,49.95
USB_/RTS: SB11.2 TP3.1 U1.8 | length 126
  Top Layer w0.152: v1(115.54,18.988) v1@115.689,18.839
  Top Layer w0.2: U1.8@20.375,49.95 20.375,50.625 v1(20.55,50.8) ; v1(22.45,48.75) 40.9,30.3 v1(97.7,30.3)
  Bottom Layer w0.2: v1(20.55,50.8) 20.6,50.8 22.45,48.95 v1(22.45,48.75) ; v1(97.7,30.3) 97.7,12.8 98.1,12.4 102.4,12.4 102.6,12.6 110.7,12.6 113.3,15.2 113.3,16.748 v1(115.54,18.988)
USB_DM: C3.2 D1.3 J1.A7 J1.B7 R6.1 | length 11.3
  Top Layer w0.2: J1.B7@7.825,49 v1@8.709,49 ; J1.A7@9.525,48.25 v1(10.1,48.25) 11.8,48.25 D1.3@12.55,47.5 ; C3.2@12.55,46.2 D1.3@12.55,47.5 ; R6.1@15.85,47.8 15.85,48.25 15.8,48.3 13.35,48.3 D1.3@12.55,47.5
  Bottom Layer w0.2: v1(8.75,49) 9.5,48.25 v1(10.1,48.25)
USB_DP: C2.2 D1.2 J1.A6 J1.B6 R5.1 | length 10.4
  Top Layer w0.2: J1.B6@7.825,48.5 8.9,48.5 9.15,48.75 J1.A6@9.525,48.75 11.8,48.75 D1.2@12.55,49.5 ; C2.2@12.55,50.8 D1.2@12.55,49.5 ; R5.1@15.85,49.1 15.85,48.75 15.8,48.7 13.35,48.7 D1.2@12.55,49.5
USB_RX: TP12.1 U1.7 U2.4 | length 96
  Top Layer w0.2: U1.7@20.825,49.95 22.45,49.95 24.95,47.45 25.083,47.45 41.533,31 91.6,31 103.3,31 103.8,31.5 107.64,31.5 U2.4@108.77,31.5
USB_TX: TP11.1 U1.10 U2.3 | length 98.8
  Top Layer w0.2: U1.10@19.475,49.95 19.475,51.025 19.75,51.3 22.751,51.3 22.939,51.112 27.526,46.526 42.401,31.65 91.887,31.65 92.6,31.65 103.15,31.65 103.5,32 108.04,32 U2.3@108.77,32
VBAT+: C26.2 C27.2 R73.1 U6.C2 U7.A2 | length 22
  Top Layer w0.2: 19.55,23.3 U7.A2@19.9,23.3 ; U6.C2@29.6,26.6 29.6,26.9 29.825,27.125 30.325,27.125 30.5,27.3 v1(30.5,28.05)
  Top Layer w0.4: R73.1@15.7,21.9 15.7,22.4 16.65,23.35 v1(18.2,23.35) 18.25,23.3 19.55,23.3
  Bottom Layer w0.4: v1(18.2,23.35) 20.35,25.5 24.5,25.5 27.7,28.7 29.85,28.7 v1(30.5,28.05)
VBUS: C24.1 C57.2 D1.4 FB2.2 P1.2 P12.1 Q13.C2 Q14.1 R68.2 R69.2 SB1.2 TP62.1 U11.9 | length 69.3
  Top Layer w0.2: 6.412,40 SB1.2@6.462,40.05 ; Q14.1@26.65,32.65 Q14.1@26.65,32.95
  Top Layer w0.3: U11.9@20.55,30.35 22.557,30.35 ; Q13.C2@22.557,29.05 22.557,30.35 ; C57.2@22.557,31.25 22.557,30.35
  Top Layer w0.4: SB1.2@6.512,40 6.687,40 7.05,40 ; FB2.2@7.05,41.5 7.05,40 ; v1(13.2,40) TP62.1@8.709,40 7.05,40 ; C57.2@22.6,31.25 R68.2@23.9,31.25 24.6,31.25 25.35,32 26,32 Q14.1@26.65,32.65 ; Q14.1@26.65,32.95 27.15,32.95 27.35,32.75 R69.2@28.1,32.75 v1(29.4,32.75)
  Bottom Layer w0.4: P12.1@12.5,57 12.5,55.493 ; v1(14.45,47.5) 12.5,47.5 ; P1.2@20,57 18.493,55.493 12.5,55.493 ; v1(29.4,32.75) 28.4,33.75 15.2,33.75 13.2,35.75 v1(13.2,40) 13.2,45.5 12.5,46.2 12.5,47.5 ; 12.5,47.5 12.5,55.493
VCC_RF: Q11.2 R49.2 TP68.1 U10.14 | length 17.2
  Top Layer w0.4: Q11.2@114.425,54.35 R49.2@114.425,52.8 126.3,52.8 TP68.1@127.2,51.9 127.7,51.4 U10.14@127.7,49.65
VDDA: C41.2 FB5.1 J5.6 | length 10.4
  Top Layer w0.3: FB5.1@71.55,66.7 72.1,67.25 C41.2@73.1,67.25 73.25,67.25 73.7,67.7 77,67.7 77.5,67.2 79.4,67.2 79.75,67.55 J5.6@79.75,69
VGPIO: C11.2 C12.2 J1.A2 J1.B2 P7.2 P10.4 R1.2 R2.2 R26.2 R27.2 R28.2 R29.2 TP60.1 U2.12 | length 264.8
  Top Layer w0.3: 6.3,46.25 6.55,46.5 v1(7.25,46.5) ; v1(106.59,28.7) 107.19,28.7 107.54,28.35 107.54,27.8 107.84,27.5 U2.12@108.77,27.5
  Top Layer w0.4: 6.3,46.25 6.3,43.7 6.9,43.1 8.1,43.1 9.7,41.5 26,41.5 34.6,32.9 v1(34.6,27.5) v1(95.9,27.5) 100.7,27.5 104.1,30.9 106.325,30.9 106.59,30.635 v1(106.59,30) v1(106.59,28.7) ; v1(7.25,46.5) J1.B2@7.825,46.5 ; J1.A2@9.525,50.75 v1(10.1,50.75) ; P7.2@12.1,5 13.1,6 v1(15.35,6)
  Bottom Layer w0.3: v1(7.25,46.5) 8.15,46.5 8.9,47.25 10.75,47.25 11,47.5 11,50.5 10.75,50.75 v1(10.1,50.75)
  Bottom Layer w0.4: v1(15.35,6) 15.65,6.3 18.6,6.3 21.2,6.3 24,9.1 24,10.3 ; v1(34.125,11) 34.125,10.3 ; v1(34.6,27.5) 34.6,24.3 31.8,21.5 29.2,21.5 24,16.3 24,10.3 ; v1(45.125,11) 45.125,10.3 ; v1(56.125,11) 56.125,10.3 ; v1(67.125,11) 66.425,10.3 56.125,10.3 ; v1(95.9,27.5) 95.9,45.9 98,48 98,56.24 P10.4@109.16,67.4 ; v1(105.09,24.2) v1(105.09,25.8) 106.59,27.3 v1(106.59,28.7) v1(106.59,30) ; 24,10.3 34.125,10.3 ; 34.125,10.3 45.125,10.3 ; 45.125,10.3 56.125,10.3
VGPS: C45.2 Q12.3 SB9.2 TP67.1 U10.7 U10.8 | length 7.2
  Top Layer w0.3: TP67.1@128.35,36.8 128.562,37.012 129.547,37.012 SB9.2@129.9,37.012 ; C45.2@129.85,38.1 129.875,38.1 C45.2@129.9,38.1 ; 129.9,37.187 C45.2@129.9,38.1 ; U10.8@131,40.15 U10.7@129.9,40.15 C45.2@129.9,38.1 ; Q12.3@131.3,38.1 C45.2@129.9,38.1
VIO: TP19.1 U2.57 | length 17.6
  Top Layer w0.2: U2.57@124.51,25.5 v1@125.44,25.5
  Bottom Layer w0.2: v1(125.54,25.5) 125.8,25.24 125.8,24 125,23.2 125,19.7 131.5,13.2 v1(131.5,12)
VLED: LED9.1 P6.2 Q10.2 R25.1 R34.2 R36.2 R38.2 R41.2 R50.2 TP57.1 | length 171.7
  Top Layer w0.4: R25.1@20.75,9.8 20.75,8.29 P6.2@20,7.54 21.64,5.9 27.2,5.9 27.8,6.5 27.8,6.501 28.299,7 29.2,7 30,7.8 30,10.2 33.2,13.4 33.2,16.75 34.5,18.05 36.65,18.05 ; v1(23.3,24) LED9.1@23.3,26.9 ; R34.2@36.65,16.9 36.65,18.05 ; R36.2@47.65,16.9 47.65,18.05 ; R38.2@58.65,16.9 58.65,18.05 ; R41.2@69.65,17.1 69.65,18.05 ; v1(99.6,17.4) 95.9,17.4 93.6,19.7 71.3,19.7 69.65,18.05 ; v1(107,59.5) 110.1,59.5 110.575,59.025 Q10.2@110.575,58.45 110.575,57.6 109.925,56.95 108.925,56.95 108.4,56.425 R50.2@108.4,55.75 ; 36.65,18.05 58.65,18.05 ; 58.65,18.05 69.65,18.05
  Bottom Layer w0.4: P6.2@20,7.54 23.3,10.84 v1(23.3,24) ; v1(99.6,17.4) 99.6,52.1 v1(107,59.5)
VSSA: C41.1 FB6.2 J5.10 | length 6.3
  Top Layer w0.3: FB6.2@71.55,68.7 73.05,68.7 C41.1@73.1,68.75 76.15,68.75 76.4,69 J5.10@77.75,69 J5.10@77.746,68.996
VUART: C7.2 P1.1 R3.2 R7.2 U1.4 | length 18.3
  Top Layer w0.2: U1.4@19.925,47.05 19.925,46.475 20.65,45.75 v1(20.8,45.75)
  Top Layer w0.4: v1(20.8,45.75) v1(22.1,45.75)
  Bottom Layer w0.4: v1(18.2,44.25) 18.95,45 20.05,45 v1(20.8,45.75) ; v1(22.1,45.75) 23.3,46.95 23.3,50 22.54,50.76 P1.1@22.54,57
VWPC: C25.2 R74.1 U6.A2 | length 3.1
  Top Layer w0.2: R74.1@26.6,28.05 C25.2@27.9,28.05 28.8,27.15 U6.A2@28.8,26.6
WPC_/CHG: R72.1 U11.7 | length 2.7
  Top Layer w0.2: R72.1@18.6,28.15 18.75,28.15 19.55,28.95 U11.7@19.55,30.35
WPC_EN: Q14.2 R68.1 TP79.1 U11.10 U11.11 | length 8.8
  Top Layer w0.2: U11.10@20.95,31.25 U11.11@20.95,32.75 21.15,32.75 21.8,33.4 23.6,33.4 23.9,33.1 R68.1@23.9,32.75 24.55,32.75 24.75,32.95 Q14.2@25.35,32.95 25.35,33.6 25.5,33.75 TP79.1@25.5,35
pads on no net: AC1.3 AC1.4 E1.1 E1.2 E1.3 J1.MH5 J1.MH6 J2.7 J2.8 J3.C6 J4.MP1 J4.MP2 J10.MH1 J10.MH2 P10.1 P10.5 SW1.3 SW3.0 SW4.3 U2.10 U2.51 U2.64 U2.67 U2.70 U2.71 U2.73 U2.104 U2.105 U2.106 U2.107 U2.108 U2.109 U2.110 U2.111 U2.112 U2.113 U2.114 U2.115 U2.116 U2.117 U2.118 U2.119 U2.120 U2.121 U2.122 U2.123 U2.124 U2.125 U2.126 U2.127 U3.10 U4.0 U9.10 U10.15
copper on no net:
  other v1: 146.104,12.6 154.154,49.15

## Polygon pours and split planes (outlines as drawn)
GND on Ground "NONET_L-01_P-001" (solid, pour order 1): 115.003,66.2 115.003,70 0,70 0,0 142.9,0 142.9,66.2
GND on Top Layer "NONET_L-01_P-001" (solid, pour order 9): 0,0 0,70 115,70 115,66.2 143,66.2 143,0
+3V3 on Top Layer "NONET_L-01_P-001" (solid, pour order 8): 0.6,10 0.6,8.29 1.79,8.29 1.8,8.3 1.8,10
NetC30_2 on Top Layer "NONET_L-01_P-001" (solid, pour order 6): 5.7,12.9 5.7,12.5 5.7,11 6.2,10.5 8.5,10.5 8.5,9.4 6.1,9.4 6.1,9.9 5.3,10.7 0.6,10.7 0.6,11.6 4.2,11.6 5.5,12.9
GND on Top Layer "NONET_L-01_P-001" (solid, pour order 5): 5.9,13.7 8,13.7 8,12.7 6.9,12.7 6.5,13.1 5.9,13.1
PMID on Top Layer "NONET_L-01_P-001" (solid, pour order 4): 5.5,13.9 8,13.9 8,14.9 6.5,14.9 5.7,14.1 5.5,14.1
NetL1_1 on Top Layer "NONET_L-01_P-001" (solid, pour order 3): 5.7,13.3 2.8,13.3 2.8,12.1 4.5,12.1 5.5,13.1 5.7,13.1
NetL1_2 on Top Layer "NONET_L-01_P-001" (solid, pour order 2): 5.7,13.5 2.8,13.5 2.8,14.7 4.5,14.7 5.5,13.7 5.7,13.7
+3V3 on Power "NONET_L-01_P-001" (solid, pour order 7): 115,66.2 115,70 0,70 0,0 142.9,0 142.9,66.2
GND on Bottom Layer "NONET_L-01_P-001" (solid, pour order 11): 0,0 0,70 115,70 115,66.2 143,66.2 143,0

## Silkscreen, mask and mechanical layers (free items; w line width, h text height)
Top Overlay:
  lines w0.15: 106.7,12 106.7,13.2 ; 113.59,43 113.608,42.1 ; 113.59,45.25 114.64,45.9 ; 128.562,36.388 129.03,35.935
  text ".Pcb_File_Name_No_Path" at 1.1,67.6 h1.5
  text "Ver .PcbRevision" at 1.1,65.6 h1.5
  text ".PcbDate" at 12.7,65.6 h1.5
  text "RXD" at 90.47,56.87 h1
  text "69" at 110.87,56.6 h1
  text "TXD" at 91.97,55.52 h1
  text "LNA_EN" at 120.765,53.183 h1
  text "GND" at 91.27,51.87 h1
  text "CTS" at 19.72,51.77 h1
  text "VCC_RF" at 120.81,51.483 h1
  text "GPS/SAFEBT" at 101.87,49.8 h1
  text "RTS" at 23.27,48.37 h1
  text "\RST" at 115.89,47.92 h1 r90
  text "RX" at 25.67,47.07 h1
  text "TX" at 28.27,45.97 h1
  text "51" at 114.82,45.59 h1
  text "23" at 112.81,40.9 h1
  text "DISP_EXT_COMIN" at 93.57,39.783 h1
  text "\MCU_DISP_EN" at 79.334,39.083 h1
  text "DSP_SCS" at 93.57,38.383 h1
  text "GPS\RST" at 119.2,38.37 h1 r90
  text "VBUS" at 7.07,38.27 h1
  text "MISO" at 87.33,37.6 h1
  text "74" at 122.56,37.55 h1
  text "DISP_SCLK" at 93.57,36.983 h1
  text "\MCU_DISP_SI" at 79.666,36.283 h1
  text "WPC_EN" at 24.17,35.537 h1
  text "D3M4" at 93.57,35.5 h1
  text "D3COM" at 86.165,34.8 h1
  text "D3M1" at 93.57,34 h1
  text "D2M4" at 87.211,33.3 h1
  text "D2COM" at 93.57,32.6 h1
  text "VGPS" at 130,32.099 h1 r90
  text "D2M1" at 87.544,31.8 h1
  text "77" at 23.27,29.47 h1
  text "55" at 33.87,28.57 h1
  text "76" at 24.52,26.17 h1
  text "SDA" at 93.57,25.6 h1
  text "SCL" at 88.164,24.9 h1
  text "BAT+" at 0.42,24.444 h1
  text "64" at 12.97,24.17 h1
  text "\INT" at 93.57,24.1 h1
  text "VLED" at 24.07,23.47 h1
  text "BAT_LVL_EN" at 81.166,23.283 h1
  text "BAT_LVL" at 93.57,22.583 h1
  text "M2" at 89.163,21.8 h1
  text "M1" at 93.57,21.1 h1
  text "M0" at 89.163,20.4 h1
  text "48" at 117.52,19.05 h1
  text "EXT_ANT" at 126.597,17.165 h1 r90
  text "BTN3" at 88.97,16 h1
  text "TSMR" at 5.42,15.42 h1
  text "66" at 14.47,15.42 h1
  text "BTN2" at 88.97,14.5 h1
  text "54" at 105.87,13.4 h1
  text "65" at 8.57,13.07 h1
  text "MAGPIO2" at 132.47,13 h1
  text "BTN1" at 88.994,12.964 h1
  text "53" at 107.77,12.1 h1
  text "52" at 103.935,12 h1
  text "BTN0" at 88.97,11.5 h1
  text "VIO" at 132.47,11.5 h1
  text "SWDIO" at 96.67,10.5 h1
  text "RST" at 111.7,10.37 h1 r90
  text "DET" at 113.2,10.37 h1 r90
  text "CLK" at 114.7,10.37 h1 r90
  text "IO" at 116.2,10.37 h1 r90
  text "1V8" at 117.7,10.37 h1 r90
  text "ACC\CS" at 88.97,10 h1
  text "SCLK" at 132.47,10 h1
  text "SWDCLK" at 97.89,9 h1
  text "ACC\INT" at 88.97,8.5 h1
  text "SDATA" at 132.47,8.5 h1
  text "SWO" at 99.16,7.49 h1
  text "GND" at 133.17,1.653 h1
  text "GND" at 19.17,0.97 h1
Mechanical 1:
  the board outline again, w0.15

## Text inside footprints (layer, text, board x,y; h text height)
G2: Top Overlay "CS" at 85.1,14.364 h1 r90; Top Overlay "DISPLAY" at 76.251,11.73 h1; Top Overlay "MOSI" at 75.12,12.748 h1 r90; Top Overlay "SCK" at 77.3,13.364 h1 r90; Top Overlay "VCC" at 80.06,13.414 h1 r90; Top Overlay "GND" at 82.7,13.364 h1 r90
J1: Top Overlay "USB-JTAG" at 11.57,44.618 h1 r90
J2: Top Overlay "1" at 94.5,0.4 h1.02
J3: Top Courtyard "NO VIA / NO TRACE" at 121.076,7.766 h0.55; Top Courtyard "NO VIA / NO TRACE" at 121.838,11.068 h0.55
J6: Top Overlay "GNSS" at 121.142,62.3 h1
J7: Top Overlay "TpGPS" at 133.167,59.767 h1
J8: Top Overlay "TpLTE" at 130.392,26.667 h1
J9: Top Overlay "LTE" at 130.867,16.8 h1
J10: Top Overlay "WPC/QI" at 1.034,35.7 h1
M1: Top Overlay "TITAN 903A /  MOTOR" at 44.241,43.635 h1.52; Top Overlay "D3M4" at 67.48,32.575 h1 r90; Top Overlay "D3COM" at 64.94,31.575 h1 r90; Top Overlay "D3M1" at 62.4,32.908 h1 r90; Top Overlay "D2M4" at 59.86,32.575 h1 r90; Top Overlay "D2COM" at 57.32,31.575 h1 r90; Top Overlay "D2M1" at 54.78,32.908 h1 r90; Top Overlay "D1M4" at 52.24,32.741 h1 r90; Top Overlay "D1COM" at 49.7,31.741 h1 r90; Top Overlay "D1M1" at 47.16,33.074 h1 r90
P1: Top Overlay "UART-EN" at 17.818,54.3 h1
P2: Top Overlay "ACC-EN" at 82.218,6.253 h1
P3: Top Overlay "GPSEN" at 106.555,35.888 h1
P4: Top Overlay "MISO" at 78.423,1.16 h1; Top Overlay "MOSI" at 78.47,3.9 h1; Top Overlay "SCK" at 78.423,6.24 h1
P5: Top Overlay "IMeas" at 15.2,9.441 h1 r90
P6: Top Overlay "VLED ON" at 22.7,2.868 h1 r90
P7: Top Overlay "3V3" at 14.967,7 h1; Top Overlay "1V8" at 14.1,1.92 h1
P8: Top Overlay "MCU" at 65.37,63.7 h1; Top Overlay "ON" at 60.37,63.7 h1
P9: Top Overlay "LOW" at 50.17,63.7 h1; Top Overlay "MCU" at 55.77,63.7 h1
P10: Top Overlay "GND" at 114.74,62.227 h1.2 r90; Top Overlay "CTS" at 112.2,62.227 h1.2 r90; Top Overlay "VCC" at 109.66,62.227 h1.2 r90; Top Overlay "RXI" at 107.12,62.627 h1.2 r90; Top Overlay "TXO" at 104.58,62.227 h1.2 r90; Top Overlay "DTR" at 102.04,62.227 h1.2 r90; Top Overlay "GPS" at 117.3,65.901 h1.2 r90; Top Overlay "FTDI" at 100,65.001 h1.2 r90
P12: Top Overlay "GND" at 15.6,58.867 h1 r90; Top Overlay "+5V" at 13,58.867 h1 r90
P13: Top Overlay "SDA" at 91.967,1.7 h1; Top Overlay "SCL" at 91.967,4.4 h1
SW1: Top Overlay "RESET" at 111.557,13.8 h1
SW2: Top Overlay "MOTOR" at 25.665,10.62 h1; Top Overlay "LEDS" at 26.165,2.48 h1; Top Overlay "DRV-ML" at 25.22,4.168 h1 r90
SW3: Top Overlay "MCU" at 93.835,62.1 h1.2 r90; Top Overlay "GPS" at 87.383,57.531 h1.2; Top Overlay "EXT" at 99.035,62.2 h1.2 r90; Top Overlay "UART" at 92.683,60.6 h1.2
SW4: Top Overlay "GPS-RST" at 103.418,46.7 h1